# Altium PCB 0416.PcbDoc (part 2 of 3)
Units mm, origin at the board's own origin, x right, y up, seen from the top; angles counter-clockwise.
Board outline 152.4 x 49.85 mm, 4 copper layers (Top Layer, Signal Layer 2, Signal Layer 1, Bottom Layer), stack 0.778 mm thick; 259 components, 302 nets, 1185 pads, 479 vias.
Unrouted connection lines stored in the file: 71.
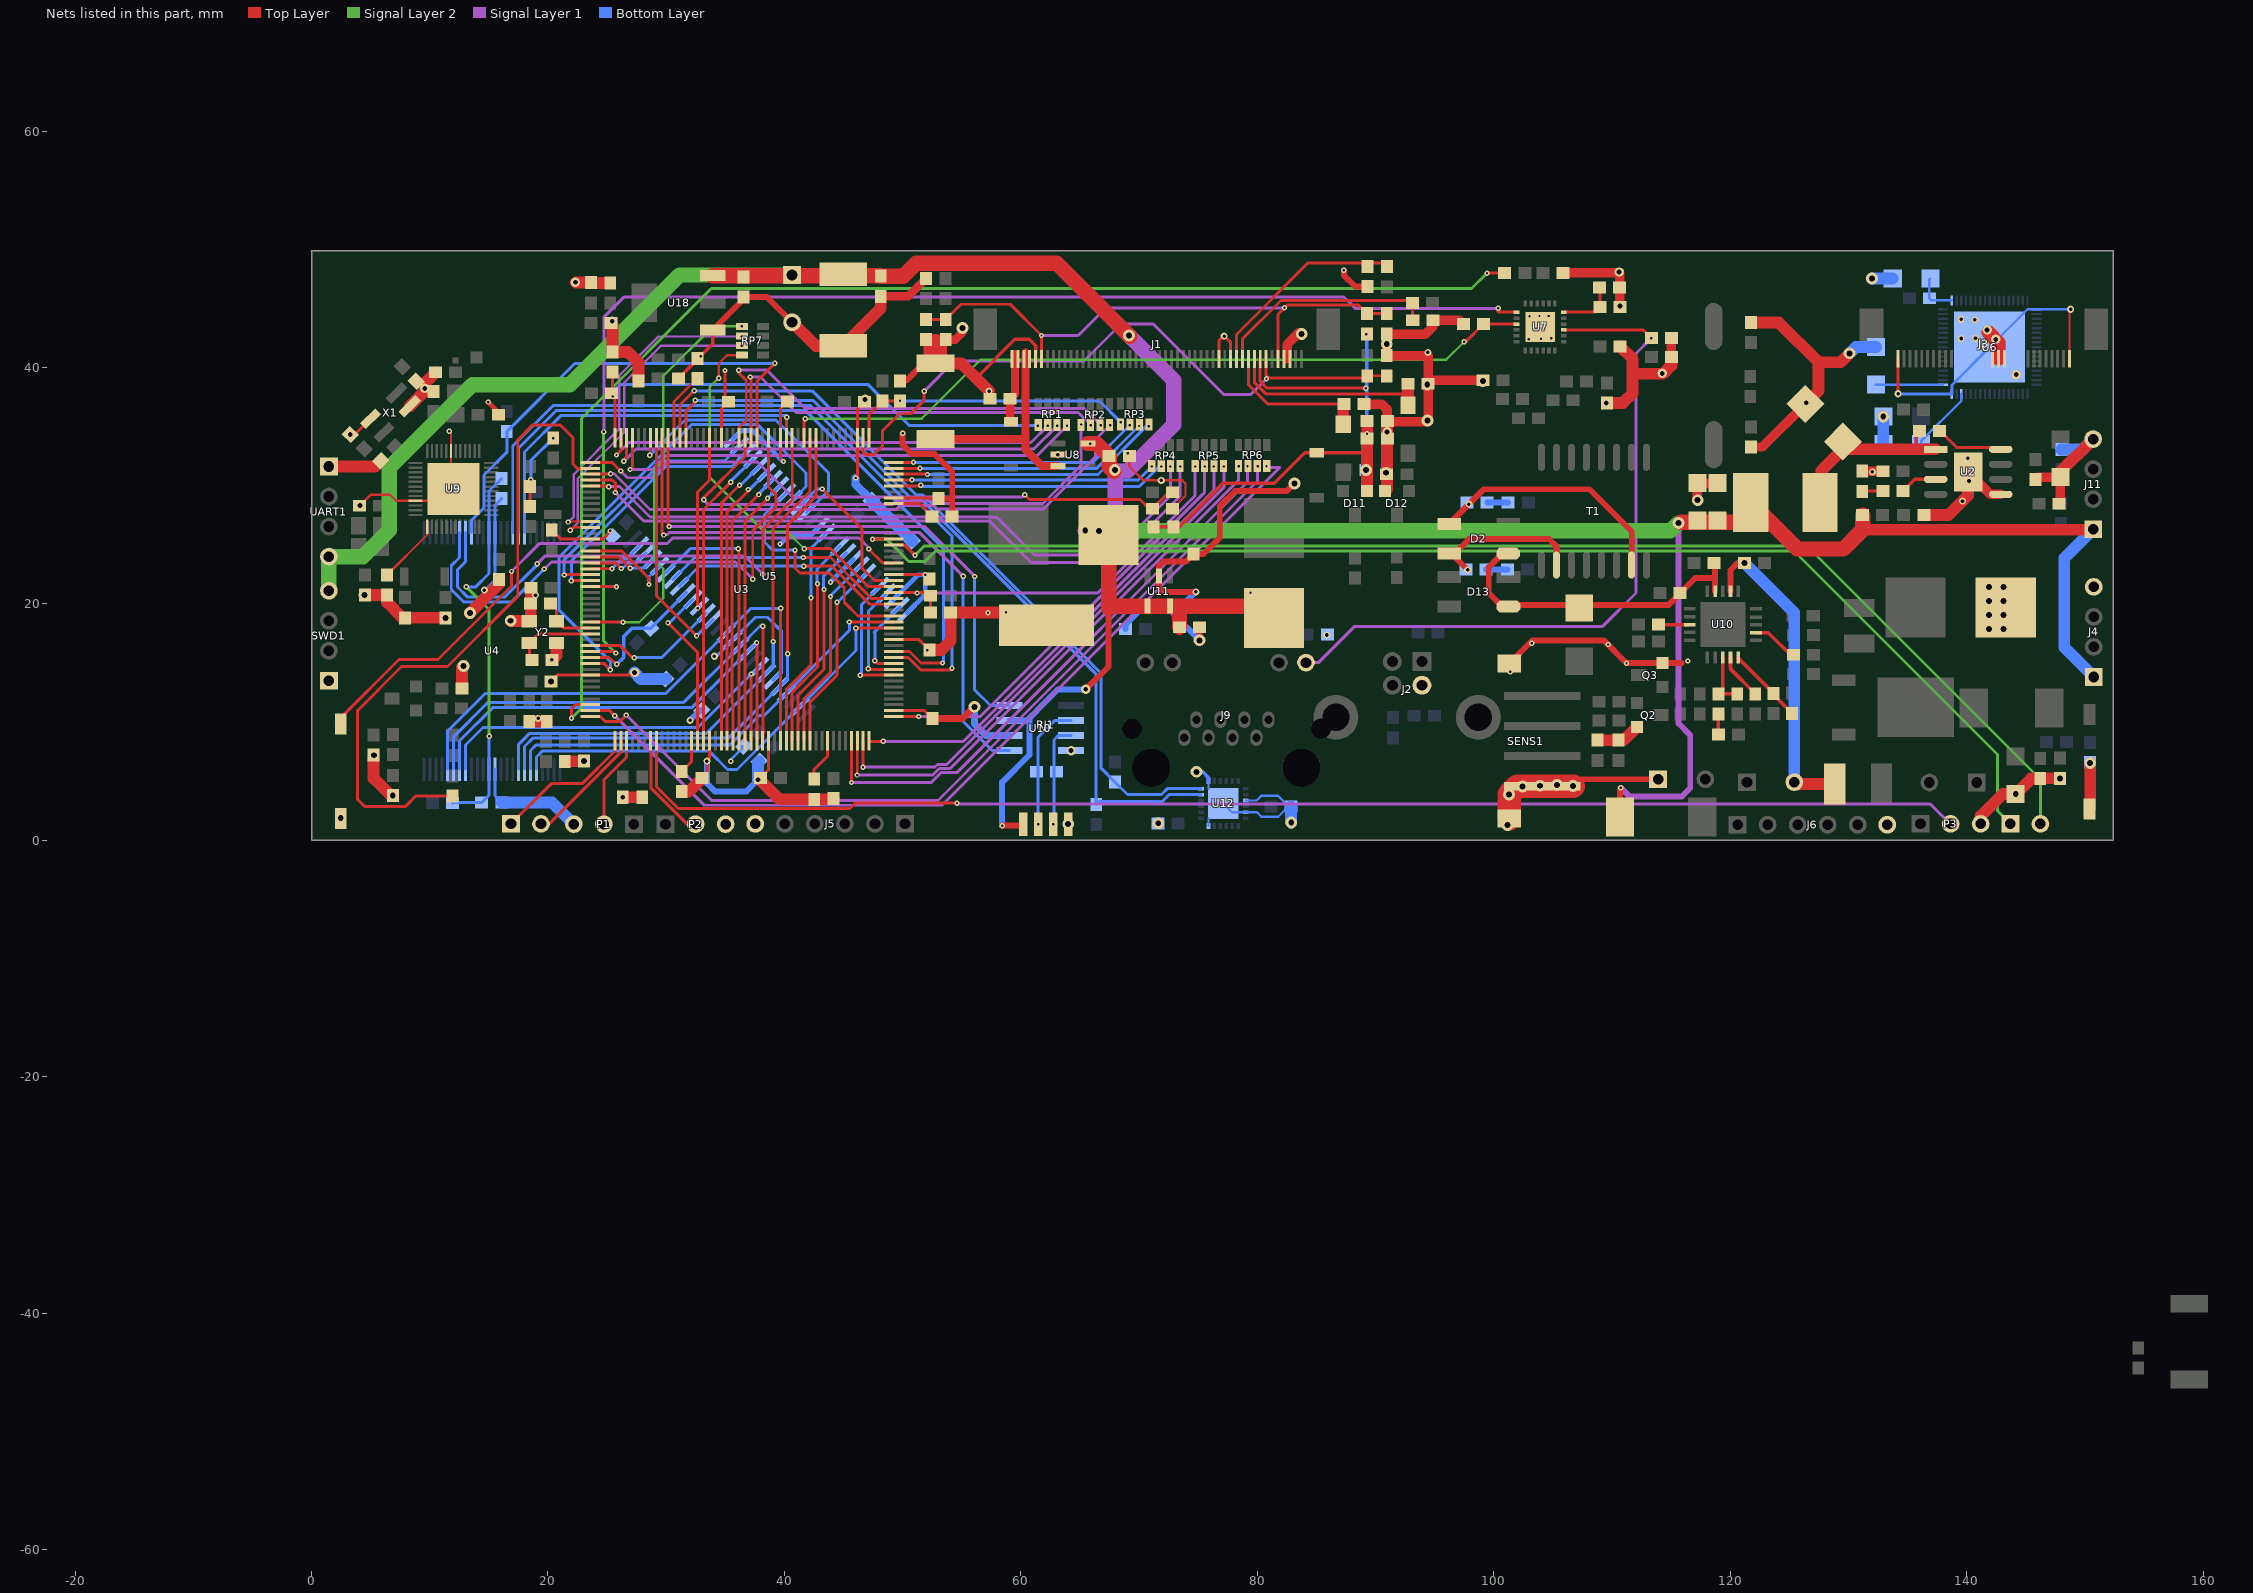
[diagram p4: the nets of this part, all layers, seen from the top]

## Via types
v1: diameter 0.45, hole 0.2, Top Layer to Bottom Layer, 285 vias
v2: diameter 1, hole 0.5, Top Layer to Bottom Layer, 61 vias
v3: diameter 0.6, hole 0.3, Top Layer to Bottom Layer, 56 vias
v4: diameter 0.8, hole 0.4, Top Layer to Bottom Layer, 41 vias
v5: diameter 0.5, hole 0.3, Top Layer to Bottom Layer, 36 vias

## Nets (pads, with @x,y where several pads share a name; then routed paths per layer and width w, separated by ;. In a path a pad name is that pad's centre, name@x,y a point inside that pad or via, vN(x,y) a via of type N, cw(c..) or ccw(c..) an arc to the next point about the centre after c; other vN are vias at no path point) (continued)
+5V: C49.2 C50.2 C72.2 C94.2 C97.2 C98.1 C101.1 C102.2 D8.2 J4.1 J11.1 L4.1 L7.1 L8.1 R41.2 RJ1.1 SWD1.4 U8.5 U10.3@59.05,10.135 U11.4 U11.5 U18.3 UART1.4 | length 306.8
  Top Layer w0.5: v1(58.425,1.25) 60.07,1.25 RJ1.1@60.195,1.375 ; v4(65.5,12.775) 67.413,14.688 67.413,22.387 ; D8.2@110.675,1.975 110.675,4.375 v1(110.75,4.45)
  Top Layer w1: 131.2,26.275 150.65,26.275 J11.1@150.7,26.325
  Top Layer w1.3: U18.3@33.95,47.775 48.1,47.775 C102.2@48.15,47.725 50.062,47.725 51.164,48.827 63.025,48.827 v2(69.15,42.702) v2@69.202,42.65 ; U8.5@65.665,33.575 66.4,33.575 C72.2@67.475,32.5 67.475,31.6 v2@67.875,31.2 ; 67.413,22.387 67.438,22.362 ; L4.1@67.413,25.832 67.438,25.807 67.438,22.362 ; C94.2@73.425,18.025 73.425,19.71 73.325,19.81 ; L7.1@81.407,18.812 80.409,19.81 73.325,19.81 ; v2@115.85,26.904 121.854,26.904 L8.1@121.854,27.75 ; L8.1@121.754,28.575 125.679,24.65 129.575,24.65 131.2,26.275 R41.2@131.2,27.525 ; 67.438,22.362 67.438,19.675 67.573,19.81 U11.4@70.725,19.81 U11.5@72.625,19.81 73.325,19.81
  Signal Layer 1 w0.5: v1(110.75,4.45) 111.475,3.725 115.925,3.725 116.625,4.425 116.625,8.9 115.625,9.9 v2(115.625,26.85)
  Signal Layer 1 w1.3: v2(65.45,26.2) 66.6,26.2 68,27.6 v2@68,31.248 ; v2(67.95,31.325) 68.027,31.248 69.023,31.248 72.925,35.15 72.925,38.927 v2(69.15,42.702)
  Signal Layer 2 w1.3: SWD1.4@1.475,21.12 UART1.4@1.475,24.005 4.355,24.005 6.575,26.225 6.575,31.5 13.625,38.55 21.85,38.55 31.125,47.825 C98.1@40.65,47.825 ; v2@66.625,26.179 114.954,26.179 v2(115.625,26.85)
  Bottom Layer w0.5: v1(58.425,1.25) 58.425,4.925 60.725,7.225 60.725,10.325 ; U10.3@59.05,10.135 60.535,10.135 60.725,10.325 ; v4(65.5,12.775) 63.15,12.775 61.375,11 61.375,10.975 60.725,10.325
  Bottom Layer w1: J11.1@150.7,26.325 148.25,23.875 148.25,16.325 J4.1@150.75,13.825
  other v1: 79.425,20.95 65.875,33.55
  other v2: 66.625,26.175
+10.4V: C88.2 C92.2 C93.2 C95.1 D11.1 D15.2 J1.43 R26.2 R74.1 | length 46.5
  Top Layer w0.253: J1.43@80.25,40.725 80.25,38.825 80.825,38.25 v1(89.175,38.25)
  Top Layer w0.3: R74.1@71.225,26.5 71.25,26.525 C95.1@72.925,26.525 73.425,26.525 77.1,30.2 81.425,30.2 84.005,32.78 D15.2@85.025,32.78 ; D15.2@85.047,32.797 89.253,32.797
  Top Layer w1: v1(89.275,34.4) 89.275,29.557 D11.1@89.291,29.541 ; C93.2@89.3,34 C92.2@89.3,35.475
  Bottom Layer w0.3: v1(89.275,34.4) v1@89.275,42.85
  other v1: 89.225,42.825
  other v2: 89.2,31.325
+16V: C89.2 D14.1 J1.41 | length 12.6
  Top Layer w0.25: J1.41@79.25,40.725 79.25,38.55 80.9,36.9 C89.2@87.325,36.9
  Top Layer w1: D14.1@87.275,35.207 87.275,36.85 C89.2@87.325,36.9
-7V: C84.1 D10.2 J1.42 | length 17.2
  Top Layer w0.25: J1.42@79.75,40.725 79.75,38.75 80.725,37.775 92.75,37.775
  Top Layer w1: D10.2@92.75,36.807 92.75,37.775 C84.1@92.75,38.625
AD1: P1.2 U3.47 | length 7.8
  Top Layer w0.254: P1.2@24.735,1.375 24.735,5.133 26.666,7.064 U3.47@26.666,8.409
AD2: P2.2 U3.51 | length 9
  Top Layer w0.254: U3.51@28.666,8.409 28.666,7.584 28.704,7.546 28.704,4.446 31.775,1.375 P2.2@32.49,1.375
AD3: P3.2 U3.52 | length 115
  Top Layer w0.254: U3.52@29.165,8.409 29.165,4.56 31.029,2.696 45.546,2.696 46,3.15 v1(54.6,3.15)
  Signal Layer 1 w0.254: v1(54.6,3.15) 54.675,3.075 136.91,3.075 P3.2@138.585,1.4
BL_GND: J1.3 J1.4 R71.2 U8.3 | length 19
  Top Layer w0.7: R71.2@52.775,33.95 60.298,33.95 ; 60.4,41.25 60.398,41.248 60.398,33.052 61.775,31.675 U8.3@63.125,31.675
BL_VCC: C74.2 D9.2 J1.1 J1.2 | length 6
  Top Layer w0.7: D9.2@59.25,35.33 D9.2@59.175,35.405 59.1,35.48 C74.2@59.1,37.35 59.5,37.75 59.5,41.1 59.475,41.125
BOOT0: R52.2 U3.166 | length 6
  Top Layer w0.254: U3.166@30.666,34.04 30.666,37.116 R52.2@32.7,39.15
BOOT1: R53.2 U3.58 | length 2.9
  Top Layer w0.254: R53.2@31.325,5.825 32.165,6.665 U3.58@32.165,8.409
CAN1_H: R73.2 RJ1.3 U10.7@64.25,8.865 | length 8.8
  Bottom Layer w0.25: v1(62.735,1.375) 62.8,1.44 62.8,8.5 63.165,8.865 U10.7@64.25,8.865
CAN1_L: R73.1 RJ1.2 U10.6@64.25,10.135 | length 10.7
  Bottom Layer w0.25: v1(61.465,1.375) 61.465,8.74 62.86,10.135 U10.6@64.25,10.135
CAN1_RX: U3.167 U10.4@59.05,11.405 | length 48.4
  Top Layer w0.25: U3.167@30.165,34.04 30.165,26.485 30.231,26.55 v1(30.25,26.55)
  Signal Layer 1 w0.25: v1(30.25,26.55) 51.9,26.55 56.1,22.35 v1(56.1,22.325)
  Bottom Layer w0.25: v1(56.1,22.325) 56.1,12.73 57.425,11.405 U10.4@59.05,11.405
CAN1_TX: U3.168 U10.1@59.05,7.595 | length 52.3
  Top Layer w0.25: v1@29.666,25.925 U3.168@29.666,34.04
  Signal Layer 1 w0.25: v1(29.8,25.825) 29.8,25.85 29.825,25.875 30.111,25.875 30.113,25.873 30.265,26.025 51.45,26.025 v1(55.125,22.35)
  Bottom Layer w0.25: v1(55.125,22.35) 55.125,10.05 57.58,7.595 U10.1@59.05,7.595
DEC1: C78.1 U9.1 | length 5.5
  Top Layer w0.2: C78.1@6.4,22.45 9.8,25.85 U9.1@9.8,26.525
ETH_MDC: U3.33 U7.13 | length 109.6
  Top Layer w0.254: U3.33@23.6,15.975 25.6,15.975 v1(25.725,15.85) ; 100.375,44.675 v1(100.375,45.004) ; 100.375,44.675 U7.13@101.925,44.675
  Signal Layer 1 w0.254: v1(24.725,34.55) 24.725,44.25 26.425,45.95 87.329,45.95 88.275,45.004 v1(100.375,45.004)
  Signal Layer 2 w0.254: v1(24.725,34.55) 24.696,34.521 24.696,16.879 v1(25.725,15.85)
ETH_MDIO: R54.2 U3.42 | length 111.5
  Top Layer w0.254: v1(21.996,10.327) 21.996,11.146 22.325,11.475 U3.42@23.6,11.475 ; v1@99.325,48 R54.2@100.925,48
  Signal Layer 2 w0.254: v1(21.996,10.327) 22.838,11.169 22.838,35.688 33.825,46.675 98.125,46.675 v1(99.425,47.975)
  Bottom Layer w0.254: v1@21.994,10.325 v1(21.996,10.327)
ETH_RESET: R66.1 U3.144 U7.15 | length 65.1
  Top Layer w0.25: U3.144@41.665,34.04 41.665,35.565 v1(41.775,35.675) ; v1(97.5,42.175) 97.625,42.175 R66.1@99.125,43.675 U7.15@101.925,43.675
  Signal Layer 2 w0.2: v1(41.775,35.675) 51.625,35.675 56.6,40.65 95.975,40.65 v1(97.5,42.175)
FSMC_A0: U3.16 U5.23 | length 8.3
  Top Layer w0.25: U3.16@23.6,24.475 26.25,24.475 28.55,22.175 v1(28.55,21.65)
  Bottom Layer w0.25: v1(28.55,21.65) 28.55,22.315 U5.23@29.43,23.195
FSMC_A1: U3.17 U5.24 | length 6
  Top Layer w0.25: U3.17@23.6,23.975 26.025,23.975 v1(26.975,23.025)
  Bottom Layer w0.25: v1(26.975,23.025) 28.128,23.025 U5.24@28.864,23.761 U5.24@28.864,23.764
FSMC_A2: U3.18 U5.25 | length 5.4
  Top Layer w0.25: U3.18@23.6,23.475 25.725,23.475 v1(26.197,23.003)
  Bottom Layer w0.25: v1(26.197,23.003) v1@26.314,23.003 ; v1@26.311,23 26.788,23.477 27.449,23.477 U5.25@28.299,24.326
FSMC_A3: U3.19 U5.26 | length 4.9
  Top Layer w0.25: U3.19@23.6,22.975 v1(25.425,22.975)
  Bottom Layer w0.25: v1(25.425,22.975) 26.278,23.828 26.669,23.828 U5.26@27.733,24.892
FSMC_A4: U3.20 U5.29 | length 22.3
  Top Layer w0.254: v1(21.375,22.45) 21.4,22.475 U3.20@23.6,22.475
  Bottom Layer w0.254: v1@21.379,22.454 21.379,23.729 29.75,32.1 34.941,32.1 U5.29@36.218,33.377
FSMC_A5: U3.21 U5.30 | length 22
  Top Layer w0.254: v1@21.875,22 21.9,21.975 U3.21@23.6,21.975
  Bottom Layer w0.254: v1(21.975,21.975) 21.975,23.625 29.975,31.625 35.597,31.625 U5.30@36.784,32.812
FSMC_A6: U3.60 U5.31 | length 25.5
  Top Layer w0.254: U3.60@33.165,8.409 33.165,27.99 v1(35.475,30.3)
  Bottom Layer w0.254: v1@35.475,30.372 U5.31@37.349,32.246
FSMC_A7: U3.63 U5.32 | length 24.7
  Top Layer w0.25: U3.63@34.666,8.409 34.666,28.516 v1(36.2,30.05)
  Bottom Layer w0.254: v1(36.2,30.05) 36.285,30.05 U5.32@37.915,31.68
FSMC_A8: U3.64 U5.33 | length 24.2
  Top Layer w0.25: U3.64@35.165,8.409 35.165,27.79 v1@37,29.625
  Bottom Layer w0.254: v1(36.95,29.675) 36.95,29.584 U5.33@38.481,31.115
FSMC_A9: U3.65 U5.34 | length 23.6
  Top Layer w0.25: U3.65@35.666,8.409 35.666,11.559 35.573,11.652 35.573,26.998 v1(37.825,29.25)
  Bottom Layer w0.254: v1(37.825,29.25) 37.825,29.327 U5.34@39.047,30.549
FSMC_A10: U3.66 U5.22 | length 23.4
  Top Layer w0.25: v1(36.1,24.675) 36.106,24.675 36.165,24.735 U3.66@36.165,8.409
  Bottom Layer w0.25: U5.22@29.996,22.629 32.041,24.675 v1(36.1,24.675)
FSMC_A11: U3.67 U5.35 | length 22.8
  Top Layer w0.254: U3.67@36.666,8.409 36.666,26.991 v1@38.6,28.925
  Bottom Layer w0.254: v1(38.575,28.95) 38.579,28.95 U5.35@39.612,29.983
FSMC_A12: U3.106 U5.36 | length 20
  Top Layer w0.25: v1(40.9,24.55) 40.9,23.05 41.325,22.625 43.8,22.625 45.064,21.361 45.064,20.139 46.228,18.975 U3.106@49.231,18.975
  Bottom Layer w0.25: U5.36@40.178,29.418 38.325,27.565 38.325,25.25 39.025,24.55 v1(40.9,24.55)
FSMC_A16_CLE: U3.99 U4.16 | length 67.1
  Top Layer w0.25: U3.99@49.231,15.475 50.475,15.475 51.55,14.4 54.025,14.4 v1(54.175,14.55)
  Bottom Layer w0.25: U4.16@17.025,26.025 17.025,33.368 20.431,36.773 32.85,36.773 32.853,36.777 42.198,36.777 50.478,28.497 51.403,28.497 54.175,25.725 v1(54.175,14.55)
FSMC_A17_ALE: U3.100 U4.17 | length 63.5
  Top Layer w0.254: U3.100@49.231,15.975 50.575,15.975 51.55,15 v1(53.375,15)
  Bottom Layer w0.25: U4.17@17.525,26.025 17.525,33.2 20.675,36.35 41.8,36.35 53.475,24.675 53.475,15.1 v1(53.375,15)
FSMC_BA0: U3.108 U5.20 | length 20.1
  Top Layer w0.25: v1(41.644,23.2) 44,23.2 47.225,19.975 U3.108@49.231,19.975
  Bottom Layer w0.25: U5.20@31.127,21.498 32.829,23.2 v1(41.644,23.2)
FSMC_BA1: U3.109 U5.21 | length 20.9
  Top Layer w0.25: v1(41.6,23.925) 43.9,23.925 47.35,20.475 U3.109@49.231,20.475
  Bottom Layer w0.25: U5.21@30.561,22.064 32.423,23.925 v1(41.6,23.925)
FSMC_D0: U3.104 U4.29 U5.2 | length 38.1
  Top Layer w0.254: v1(46.05,17.95) 46.075,17.975 U3.104@49.231,17.975
  Bottom Layer w0.25: U4.29@19.025,6.025 19.025,7.05 19.525,7.55 33.65,7.55 35.2,6 35.994,6 U5.2@41.309,11.316
  Bottom Layer w0.254: U5.2@41.309,11.316 46.05,16.056 v1(46.05,17.95)
FSMC_D1: U3.105 U4.30 U5.4 | length 37.2
  Top Layer w0.254: v1(45.5,18.475) U3.105@49.231,18.475
  Bottom Layer w0.254: U4.30@18.525,6.025 18.525,7.6 18.975,8.05 35.35,8.05 37.85,10.55 38.281,10.55 U5.4@40.178,12.447 45.5,17.769 v1(45.5,18.475)
FSMC_D2: U3.142 U4.31 U5.5 | length 47.9
  Top Layer w0.254: v1(40.275,15.8) 40.275,26.7 42.665,29.09 U3.142@42.665,34.04
  Bottom Layer w0.254: U4.31@18.025,6.025 18.025,7.95 18.725,8.65 35.25,8.65 U5.5@39.612,13.013 40.275,13.675 v1(40.275,15.8)
FSMC_D3: U3.143 U4.32 U5.7 | length 47
  Top Layer w0.254: v1(39.046,16.829) 39.046,26.396 42.166,29.516 U3.143@42.166,34.04
  Bottom Layer w0.25: U4.32@17.525,6.025 17.525,8.125 18.425,9.025 33.362,9.025 U5.7@38.481,14.144
  Bottom Layer w0.3: U5.7@38.481,14.144 39.046,14.71 v1(39.046,16.829)
FSMC_D4: U3.68 U4.41 U5.8 | length 35.4
  Top Layer w0.254: U3.68@37.165,8.409 37.165,14.046 v1(37.197,14.077) v1@37.248,14.077
  Bottom Layer w0.254: U4.41@13.025,6.025 13.025,8.075 14.5,9.55 32.669,9.55 v1(37.197,14.077) 37.199,14.075 37.28,14.075 U5.8@37.915,14.71
FSMC_D5: U3.69 U4.42 U5.10 | length 39.3
  Top Layer w0.254: v1(37.65,16.707) 37.666,16.692 U3.69@37.666,8.409
  Bottom Layer w0.25: U4.42@12.525,6.025 12.525,8.425 15.325,11.225 32.168,11.225 U5.10@36.784,15.841
  Bottom Layer w0.254: U5.10@36.784,15.841 v1(37.65,16.707)
FSMC_D6: U3.70 U4.43 U5.11 | length 42.5
  Top Layer w0.254: U3.70@38.175,8.419 v1(38.175,18.125)
  Bottom Layer w0.254: U4.43@12.025,6.025 12.025,8.775 14.925,11.675 31.486,11.675 U5.11@36.218,16.407 37.936,18.125 v1(38.175,18.125)
FSMC_D7: U3.73 U4.44 U5.13 | length 46
  Top Layer w0.254: 39.69,9.309 v1@39.69,19.59
  Bottom Layer w0.254: U4.44@11.525,6.025 11.525,9.25 14.7,12.425 29.974,12.425 U5.13@35.087,17.538 37.174,19.625 v1(39.7,19.625)
FSMC_D8: U3.74 U5.42 | length 19.1
  Top Layer w0.254: U3.74@40.166,8.409 40.166,12.766 42.25,14.85 v1(42.25,20.525)
  Bottom Layer w0.254: v1(42.25,20.525) 42.25,24.601 42.2,24.651 U5.42@43.572,26.024
FSMC_D9: U3.75 U5.44 | length 18.2
  Top Layer w0.254: U3.75@40.665,8.409 40.665,12.54 42.8,14.675 v1(42.8,21.7)
  Bottom Layer w0.254: v1(42.8,21.7) 42.775,21.725 42.775,22.964 U5.44@44.703,24.892
FSMC_D10: U3.76 U5.45 | length 17.6
  Top Layer w0.254: U3.76@41.166,8.409 41.166,12.291 43.35,14.475 v1(43.35,21.225)
  Bottom Layer w0.254: v1(43.35,21.225) 43.325,21.25 43.325,22.382 U5.45@45.269,24.326
FSMC_D11: U3.77 U5.47 | length 16.9
  Top Layer w0.254: U3.77@41.665,8.409 41.665,11.99 43.9,14.225 v1(43.9,20.625)
  Bottom Layer w0.254: v1(43.9,20.625) 43.875,20.625 43.825,20.675 43.88,20.675 U5.47@46.4,23.195
FSMC_D12: U3.78 U5.48 | length 16.2
  Top Layer w0.254: U3.78@42.166,8.409 42.166,11.691 44.45,13.975 v1(44.45,20.15)
  Bottom Layer w0.254: v1(44.45,20.15) 44.487,20.15 U5.48@46.966,22.629
FSMC_D13: U3.96 U5.50 | length 11
  Top Layer w0.254: v1(46.425,13.975) U3.96@49.231,13.975
  Bottom Layer w0.254: v1(46.425,13.975) 46.504,14.054 46.504,19.904 U5.50@48.098,21.498
FSMC_D14: U3.97 U5.51 | length 9.2
  Top Layer w0.254: v1(47.1,14.525) 47.15,14.475 U3.97@49.231,14.475
  Bottom Layer w0.254: v1(47.1,14.525) 47.1,19.369 U5.51@48.663,20.932
FSMC_D15: U3.98 U5.53 | length 7.2
  Top Layer w0.254: v1(47.65,15.2) 47.875,14.975 U3.98@49.231,14.975
  Bottom Layer w0.254: v1(47.65,15.2) 47.65,17.556 47.6,17.606 U5.53@49.795,19.801
FSMC_NBL0: U3.169 U5.15 | length 20.1
  Top Layer w0.254: U3.169@29.165,34.04 29.165,20.71 v1(32.575,17.3)
  Bottom Layer w0.254: v1(32.575,17.3) 32.586,17.3 U5.15@33.955,18.67
FSMC_NBL1: U3.170 U5.39 | length 23.8
  Top Layer w0.254: v1(28.625,32.575) 28.666,32.616 U3.170@28.666,34.04
  Bottom Layer w0.254: v1(28.625,32.575) 31.6,35.55 39.275,35.55 43.725,31.1 43.725,29.571 U5.39@41.875,27.721
FSMC_NCE3: R37.2 U3.152 U4.9 | length 41.8
  Top Layer w0.254: U3.152@37.665,34.04 37.665,38.816 v1(39.2,40.35)
  Bottom Layer w0.254: U4.9@13.525,26.025 13.525,27.05 14.6,28.125 14.6,30.9 16.525,32.825 R37.2@16.525,34.575 22.3,40.35 v1(39.2,40.35)
FSMC_NOE: U3.146 U4.8 | length 45.7
  Top Layer w0.25: v1(38.175,22.525) 38.175,26.3 40.665,28.79 U3.146@40.665,34.04
  Signal Layer 1 w0.25: v1(19.1,23.4) 19.773,24.073 36.627,24.073 v1(38.175,22.525)
  Bottom Layer w0.25: U4.8@13.025,26.025 13.025,23.575 12.35,22.9 12.35,21.425 13.175,20.6 16.375,20.6 19.1,23.325 v1(19.1,23.4)
FSMC_NWAIT: U3.150 U4.7 | length 46
  Top Layer w0.25: v1(37.325,22.1) 37.325,26.2 39.275,28.15 39.275,29.275 38.665,29.885 U3.150@38.665,34.04
  Signal Layer 1 w0.25: v1(19.7,22.95) 20.3,23.55 35.875,23.55 v1(37.325,22.1)
  Bottom Layer w0.25: U4.7@12.525,26.025 12.525,23.925 11.825,23.225 11.825,21.225 12.9,20.15 16.9,20.15 v1(19.7,22.95)
FSMC_NWE: U3.147 U4.18 | length 32.1
  Top Layer w0.254: U3.147@40.166,34.04 40.166,35.766 v1(40.2,35.8)
  Bottom Layer w0.254: U4.18@18.025,26.025 18.025,32.85 21.125,35.95 40.05,35.95 v1(40.2,35.8)
FSMC_SDCKE0: U3.35 U5.37 | length 43.2
  Top Layer w0.254: U3.35@23.6,14.975 24.725,14.975 v1(25.275,14.425)
  Bottom Layer w0.254: v1(25.275,14.425) 25.275,15.15 20.921,19.504 20.921,23.921 32.194,35.194 37.706,35.194 41.825,31.075 41.825,29.933 U5.37@40.744,28.852
FSMC_SDCLK: U3.112 U5.38 | length 13.7
  Top Layer w0.254: v1(43.2,29.725) 46.575,26.35 46.575,23.025 47.625,21.975 U3.112@49.231,21.975
  Bottom Layer w0.254: U5.38@41.309,28.286 42.748,29.725 v1(43.2,29.725)
FSMC_SDNCAS: U3.160 U5.17 | length 15
  Top Layer w0.254: v1(32.673,19.65) 32.673,29.473 33.666,30.466 U3.160@33.666,34.04
  Bottom Layer w0.254: v1(32.673,19.65) U5.17@32.824,19.801
FSMC_SDNE0: R49.2 U3.34 U5.19 | length 11.9
  Top Layer w0.25: U3.34@23.6,15.475 25.175,15.475 25.75,14.9 v1(25.825,14.9)
  Bottom Layer w0.3: v1(25.825,14.9) 26.4,15.475 26.4,17.25 27.077,17.927 R49.2@28.702,17.927 ; R49.2@28.695,17.934 U5.19@31.693,20.932
FSMC_SDNRAS: U3.59 U5.18 | length 13.8
  Top Layer w0.25: v1(30.15,18.4) 32.666,15.884 U3.59@32.666,8.409
  Bottom Layer w0.25: v1@30.292,18.4 U5.18@32.258,20.367
FSMC_SDNWE: U3.32 U5.16 | length 11.8
  Top Layer w0.254: U3.32@23.6,16.475 26.125,16.475 27.15,15.45 v1(27.3,15.45)
  Bottom Layer w0.254: v1(27.3,15.45) 27.325,15.475 29.629,15.475 U5.16@33.39,19.235
GND: C2.1 C7.1 C10.1 C14.1 C15.1 C17.1 C18.1 C19.2 C20.1 C21.1 C22.1 C23.1 C24.1 C25.1 C26.1 C27.1 C28.1 C29.2 C30.2 C31.2 C32.1 C33.1 C34.1 C35.1 C36.1 C37.1 C38.1 C39.1 C40.1 C41.2 C42.1 C43.1 C44.1 C45.1 C46.1 C47.1 C49.1 C50.1 C52.1 C53.1 C54.1 C55.1 C56.1 C57.1 C58.1 C59.1 C60.1 C61.1 C62.1 C63.1 C64.1 C65.1 C66.1 C67.1 C68.1 C69.1 C70.2 C71.2 C72.1 C74.1 C75.1 C76.2 C77.2 C78.2 C79.2 C80.2 C81.2 C82.2 C83.2 C84.2 C87.1 C89.1 C90.1 C91.1 C92.1 C93.1 C94.1 C96.2 C97.1 C98.2 C99.1 C100.1 C101.2 C102.1 C110.1 C116.2 C117.1 C200.1 D4.1 D6.2 D12.2 J1.5 J1.36 J1.38 J1.47 J1.48 J2.4 J3.1 J3.17 J3.18 J3.19 J3.30 J4.4 J5.6 J6.6 J11.4 L2.2 P1.3 P2.3 P3.3 Q3.2 R14.1 R16.2 R19.2 R23.2 R25.2 R28.2 R29.2 R30.1 R33.2 R35.1 R42.2 R43.1 R44.2 R45.2 R50.1 R52.1 R53.1 R59.1 R60.1 R63.2 R64.2 R66.2 R69.2 R71.1 R75.2 R200.2 RJ1.4 RJ1.5 S1.2 S2.1 SENS1.1 SENS1.5 SWD1.1 U2.5 U2.9 U3.14 U3.22 U3.37 U3.61 U3.71 U3.90 U3.102 U3.113 U3.126 U3.135 U3.148 U3.158 U4.13 U4.36 U5.6 U5.12 U5.28 U5.41 U5.46 U5.52 U5.54 U6.1 U6.34 U6.69 U7.25 U8.2 U9.31 U9.45 U9.49 U10.2@59.05,8.865 U10.8@64.25,7.595 U11.2 U12.0 U12.1 U12.9 U12.11 U12.18 U18.1 UART1.1 X1.2 X1.4 Y2.2 Y2.4 | length 540.6